# Altium PCB mini3216时钟V3.0.PcbDoc
Units mil, origin at the board's own origin, x right, y up, seen from the top; angles counter-clockwise.
Board outline 5039.37 x 2519.68 mil, 2 copper layers (Top Layer, Bottom Layer); 44 components, 61 nets, 295 pads, 182 vias.
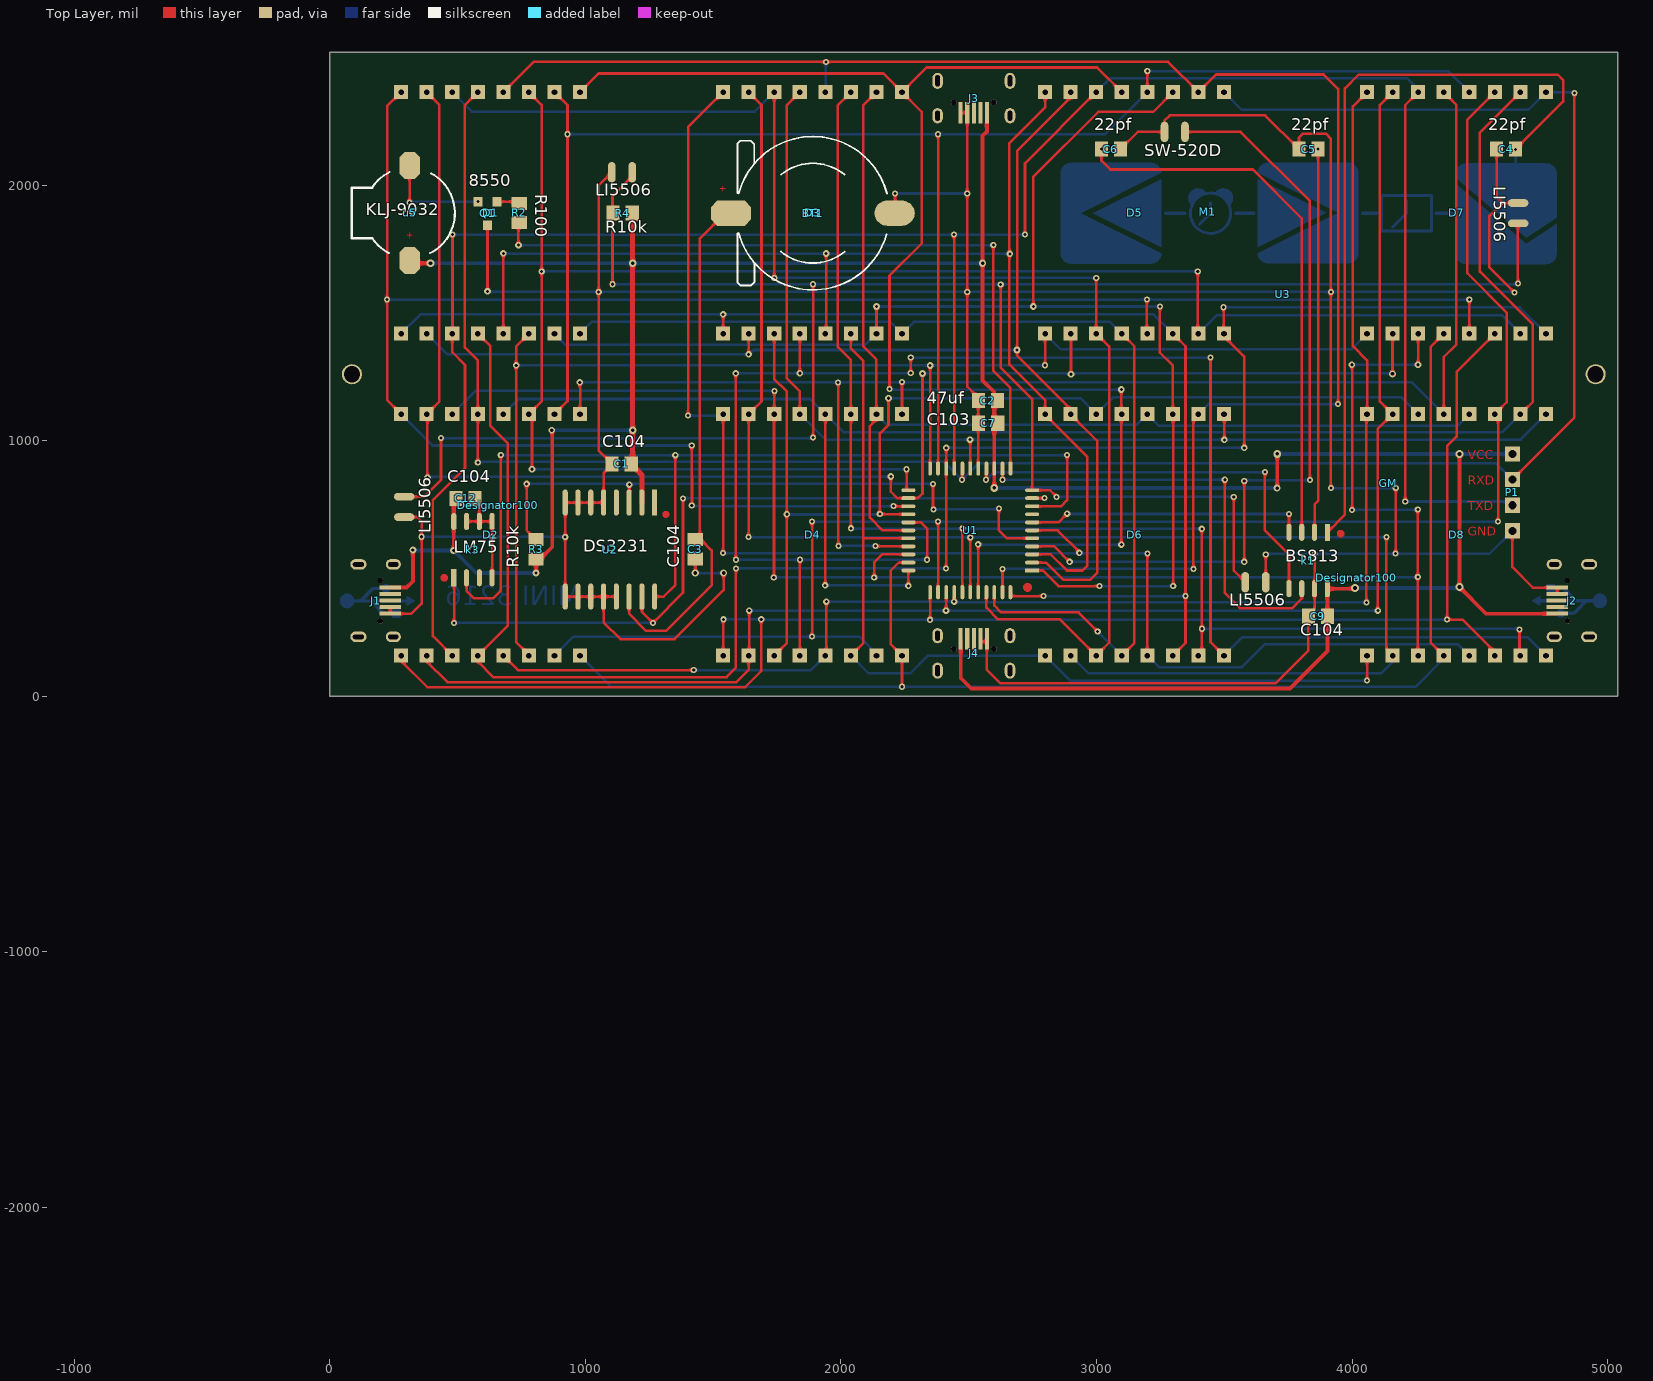
[diagram p0: Top Layer view]
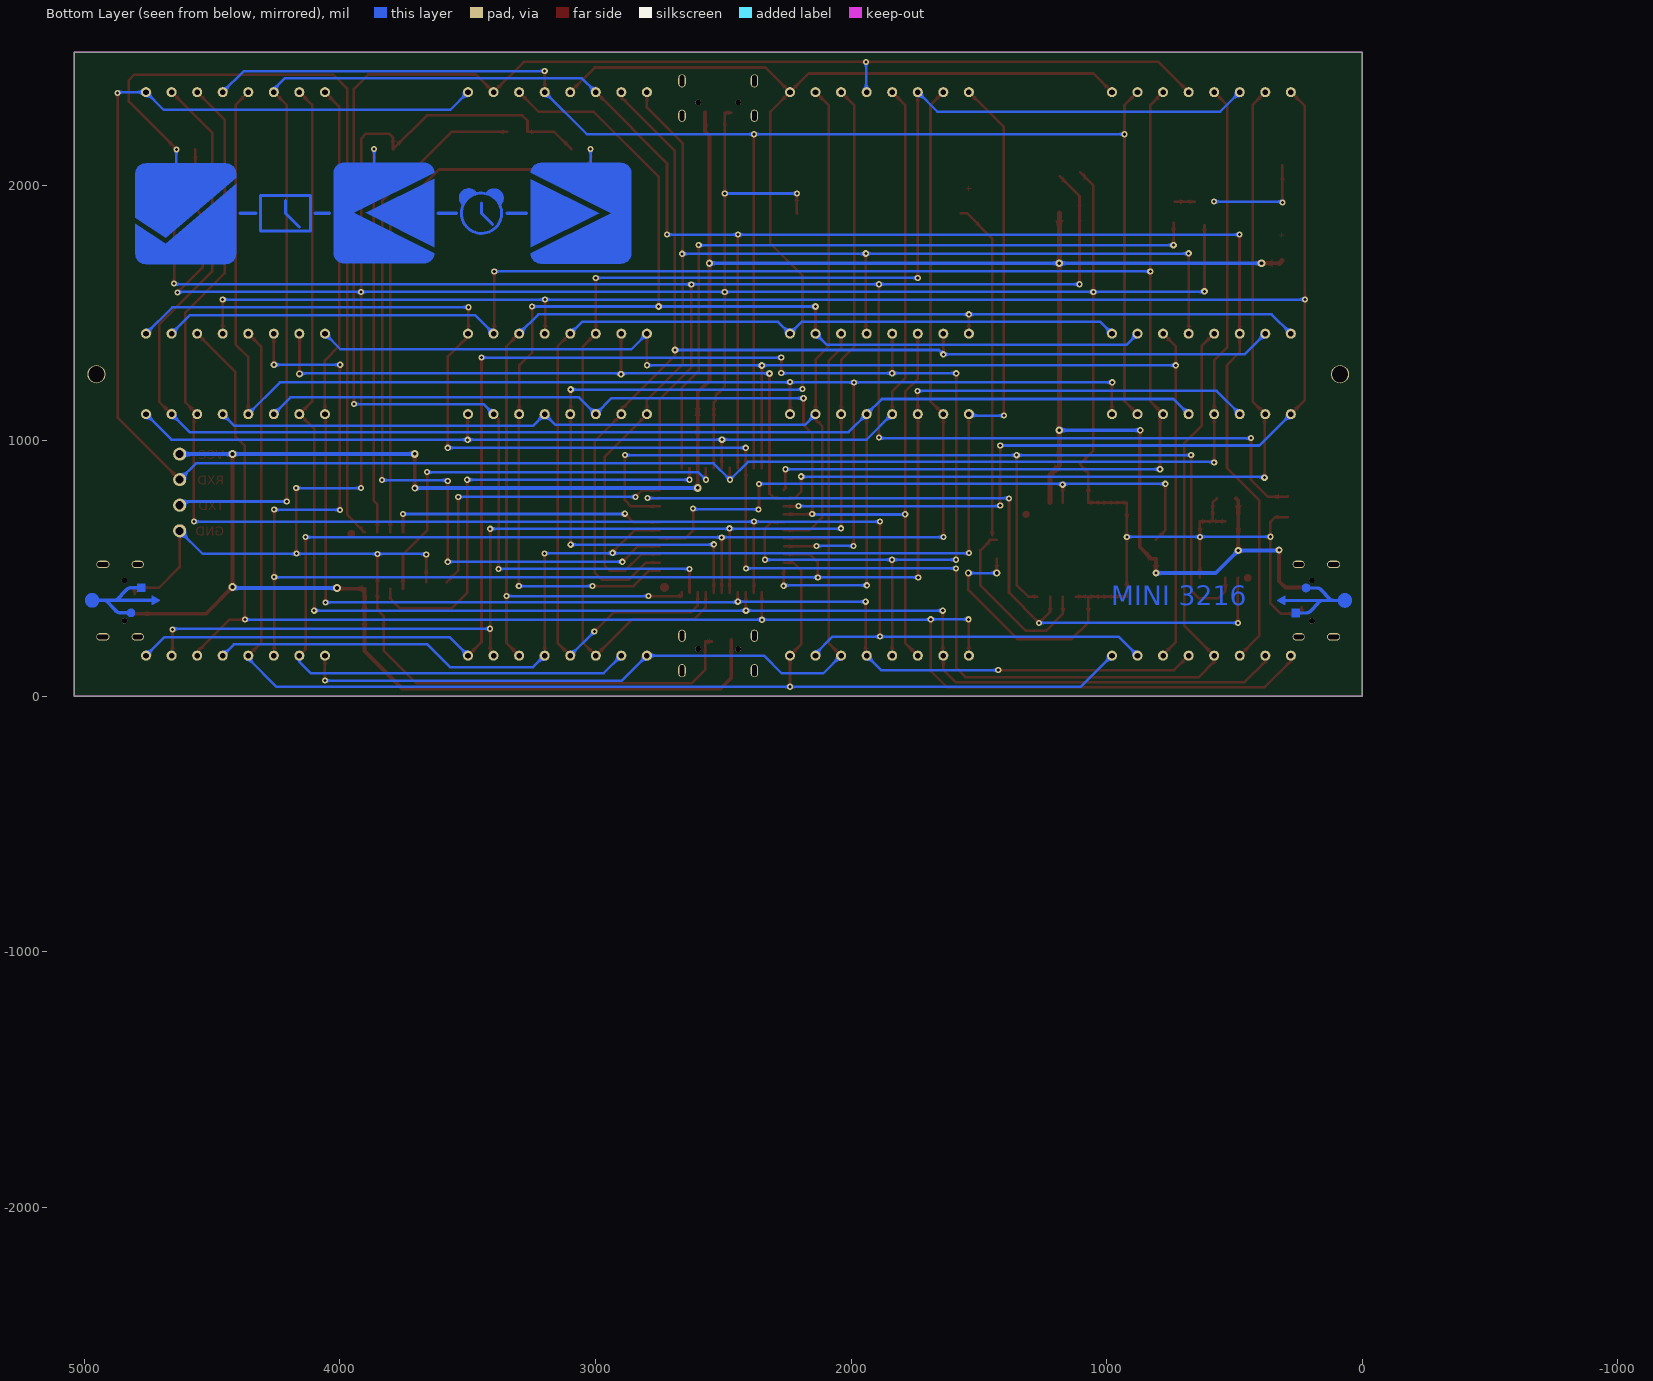
[diagram p1: Bottom Layer view, seen from below]

## Layer stack, top to bottom
Top Solder: solder mask 0.4, Solder Resist, Dk 3.5
Top Layer: signal copper 1.4
Dielectric 1: dielectric 12.6, FR-4, Dk 4.8
Bottom Layer: signal copper 1.4
Bottom Solder: solder mask 0.4, Solder Resist, Dk 3.5

## Board outline
0,0 0,2519.68 5039.37,2519.68 5039.37,0

## Design rules (kind name [scope] priority, off if disabled: settings)
Clearance Clearance_1 [InNamedPolygon('Poly1')or InNamedPolygon('Poly2')or InNamedPolygon('Poly3')or InNamedPolygon('Poly4')or InNamedPolygon('Poly5')or InNamedPolygon('Poly6')] p1: gap=30
Clearance [All] p2: gap=8
HoleToHoleClearance [All] p1: gap=8 allowstackedmicrovias=TRUE
MinimumSolderMaskSliver [All] p1: minsoldermaskwidth=8
PolygonConnect PolygonConnect_1 [InNet('GND') vs InNet('GND')] p1: connectstyle=Relief reliefconductorwidth=10 reliefentries=4 polygonreliefangle="90 Angle" airgapwidth=10
PolygonConnect [All] p2: connectstyle=Relief reliefconductorwidth=10 reliefentries=4 polygonreliefangle="90 Angle" airgapwidth=10
RoutingVias [All] p1: holewidth=12 width=26 viastyle="Through Hole" minholewidth=12 minwidth=24 maxholewidth=30 maxwidth=50
SilkToSilkClearance [All] p1: silktosilkclearance=0
SilkToSolderMaskClearance [IsPad] p1: minsilkscreentomaskgap=0 clearancetoexposedcopper=TRUE
SolderMaskExpansion [All] p1: expansion=4
Width Width_VCC [InNet('VCC')] p1: maxlimit=50 minlimit=10 preferedwidth=15
Width [All] p2: maxlimit=50 minlimit=1 preferedwidth=10
26 further rules are at their usual default settings.

## Classes and differential pairs
component class mini3216ʱ��V2.0: BT1 C1 C4 C5 C6 C7 C9 D1 D2 D3 D4 D5 D6 D7 D8 J1 J2 k1 LI-5506 P1 Q1 R2 U1 U2 U3 u5

## Components (designator, comment, footprint, x,y, rotation, side; value= is the part's Value field where it differs from the comment)
BT1 "Battery" CR1220 1890,1890 r270 top locked
C1 "Cap" C-RAD-0805 1142,909 r180 top
C2 "Cap" 0805-2 2575,1157 r180 top
C3 "Cap" C-RAD-0805 1430,575 r270 top (schematic designator C1)
C4 "Cap" C-RAD-0805 4602.52,2140.68 r0 top locked
C5 "Cap" C-RAD-0805 3829.52,2140.68 r0 top locked
C6 "Cap" C-RAD-0805 3056.52,2140.68 r180 top locked
C7 "Cap" C-RAD-0805 2576,1068 r180 top
C9 "Cap" C-RAD-0805 3866,313 r0 top
C12 "Cap" C-RAD-0805 531,774 r0 top (schematic designator C9)
D1 "点阵屏" "LED 8X8���� F3.0" 0,2519.68 r0 top locked
D2 "点阵屏" "LED 8X8���� F3.0" 0,1259.84 r0 top locked
D3 "点阵屏" "LED 8X8���� F3.0" 1259.84,2519.68 r0 top locked
D4 "点阵屏" "LED 8X8���� F3.0" 1259.84,1259.84 r0 top locked
D5 "点阵屏" "LED 8X8���� F3.0" 2519.68,2519.68 r0 top locked
D6 "点阵屏" "LED 8X8���� F3.0" 2519.68,1259.84 r0 top locked
D7 "点阵屏" "LED 8X8���� F3.0" 3779.53,2519.68 r0 top locked
D8 "点阵屏" "LED 8X8���� F3.0" 3779.53,1259.84 r0 top locked
Designator100 "Comment" 0603-2 4016,463.68 r270 top
Designator100 "Comment" 0603-2 658,747.68 r90 top
GM "" �������#1 4141,833.32 r180 top
J1 "USB_M" USB_MICRO 236.22,374.02 r270 top locked
J2 "USB_M" USB_MICRO 4803.15,374.02 r90 top locked
J3 "USB_M" USB_MICRO 2519.68,2283.46 r180 top locked (schematic designator J1)
J4 "USB_M" USB_MICRO 2519.68,224.41 r0 top (schematic designator J1)
k1 "BS814A-2触摸按键" SOP8 3828,531 r270 top
k3 "BS814A-2触摸按键" SOP8 560,573.68 r90 top locked (schematic designator k1)
LI5506 "Res1" �������#2 3622,446 r0 top (schematic designator GM)
LI5506 "Res1" �������#2 291,741 r90 top (schematic designator GM)
LI5506 "Res1" �������#2 1143,2050 r0 top (schematic designator GM)
LI5506 "Res1" �������#2 4650,1890 r270 top (schematic designator GM)
M1 "Motor" MOT 3436,1894.68 r45 top
P1 "Header 5" HDR1X5 4626.85,947.28 r270 top
Q1 "SS8550" SOT-23 617,1889 r180 top
R2 "Res1" 0805-1 741,1891 r90 top
R3 "Res1" 0805-1 807,575 r90 top (schematic designator R2)
R4 "Res1" 0805-1 1146,1890 r180 top (schematic designator R2)
SW-520D "Res1" �������#2 3306,2208 r180 top (schematic designator GM)
U1 "STC15F2K60S2_QFP44" LQFP-44 2506,649 r90 top locked
U2 "DS3231" DS3231SN 1096,573.68 r270 top locked
U3 "MOTOR" MOTOR 3728,1572.68 r45 top
u5 "Beef" BEEF 313,1891 r0 top locked
? "Comment" LOGO4 65,374.02 r0 top
? "Comment" LOGO4 4972,374.02 r180 top

## Footprints (in the part's own frame and the unit in brackets; to place one, negate y for a bottom-side part, rotate by r counter-clockwise, add the part's x,y. Pads: shape width x height; smd on the part's side, far side on the other; paste and mask are expansions set on the pad)
0603-2 [mil] "��Ƭ��˿ӡ"
0805-1 [mm] "��Ƭ��˿ӡ"
  rect 1.3x1.5 smd: 1(-0.95,0) 2(0.95,0)
  body extent -1,-0.6 1,0.6, height 0.95
0805-2 [mm] "��Ƭ��˿ӡ"
  rect 1.3x1.5 smd: 1(-0.95,0) 2(0.95,0)
  body extent -1,-0.6 1,0.6, height 0.95
BEEF [mil] "��Ƭ������"
  oct 80x106.3 smd: 1(0,-186.18) 2(0,186.18)
  silkscreen extent -228,-157 176,159, body extent -240,-210 177,210, height 118
C-RAD-0805 [mm] "��Ƭ����"
  rect 1.3x1.5 smd: 1(-0.95,0) 2(0.95,0)
  body extent -1,-0.6 1,0.6, height 0.95
CR1220 [mm] "CR1220"
  oct 2.5x4 smd: 1(0,-8.128)
  oval 2.5x4 smd: 2(0,8.128)
  silkscreen extent -7.62,-7.5 7.62,7.36, body extent -7.47,-9.45 7.53,9.05, height 4.44
DS3231SN [mm] "SOP, 16-Leads, Body 10.5x7.6mm (max), Pitch 1.27mm, IPC Medium Density"
  rect 2.6x0.508 smd: 1(-4.675,4.445)
  oval 2.6x0.508 smd: 2(-4.675,3.175) 3(-4.675,1.905) 4(-4.675,0.635) 5(-4.675,-0.635) 6(-4.675,-1.905) 7(-4.675,-3.175) 8(-4.675,-4.445) 9(4.675,-4.445) 10(4.675,-3.175) 11(4.675,-1.905) 12(4.675,-0.635) 13(4.675,0.635) 14(4.675,1.905) 15(4.675,3.175) 16(4.675,4.445)
  body extent -5.33,-5.15 5.31,5.15, height 1.95
HDR1X5 [mm] "Connector; Header; 5 Position"
  rect 1.5x1.5 / inner rect 1.5x1.5 / far side round 1.3 hole 0.8: 1(0,0)
  rect 1.5x1.5 / inner round 1.5 / far side round 1.3 hole 0.8: 2(2.54,0) 3(5.08,0) 4(7.62,0)
"LED 8X8���� F3.0" [mm] "LED 8x8���� F3.0"
  rect 1.4x1.4 / inner rect 2x2 / far side round 1 hole 0.56: 1(7.087,-27.965) 2(9.627,-27.965) 3(12.167,-27.965) 4(14.707,-27.965) 5(17.247,-27.965) 6(19.787,-27.965) 7(22.327,-27.965) 8(24.867,-27.965) 9(24.867,-3.965) 10(22.327,-3.965) 11(19.787,-3.965) 12(17.247,-3.965) 13(14.707,-3.965) 14(12.167,-3.965) 15(9.627,-3.965) 16(7.087,-3.965)
LOGO4 [mil]
  Bottom Layer lines w1: -25,-7 29,-7 ; -25,-6 29,-6 ; -25,-5 260,-5 ; -25,-4 261,-4 ; -25,-3 263,-3 ; -25,-2 265,-2 ; -25,-1 267,-1 ; -25,0 268,0 ; -25,1 266,1 ; -25,2 264,2 ; -25,3 262,3 ; -25,4 261,4 ; -25,5 30,5 ; -25,6 29,6 ; -24,7 28,7 ; -23,-10 28,-10 ; -23,-9 28,-9 ; -23,-8 28,-8 ; -23,8 28,8 ; -23,9 28,9 ; -22,-12 27,-12 ; -22,-11 27,-11 ; -22,10 27,10 ; -22,11 27,11 ; -21,-14 26,-14 ; -21,-13 26,-13 ; -21,12 26,12 ; -21,13 26,13 ; -20,-15 25,-15 ; -20,14 25,14 ; -20,15 25,15 ; -19,-16 24,-16 ; -19,16 24,16 ; -18,-18 23,-18 ; -18,-17 23,-17 ; -18,17 23,17 ; -18,18 22,18 ; -17,-19 22,-19 ; -17,19 21,19 ; -16,-20 21,-20 ; -15,-21 20,-21 ; -15,20 20,20 ; -14,21 19,21 ; -13,-22 18,-22 ; -13,22 18,22 ; -12,-23 17,-23 ; -11,23 16,23 ; -10,-24 15,-24 ; -9,24 15,24 ; -8,-25 13,-25 ; -7,25 12,25 ; -5,-26 10,-26 ; -4,26 9,26 ; 0,-27 5,-27 ; 49,5 70,5 ; 53,6 70,6 ; 55,7 71,7 ; 57,8 72,8 ; 58,9 73,9 ; 59,10 74,10 ; 60,11 74,11 ; 61,12 76,12 ; 62,13 76,13 ; 63,14 77,14 ; 64,15 78,15 ; 65,16 79,16 ; 66,17 80,17 ; 67,18 81,18 ; 68,19 82,19 ; 69,20 83,20 ; 70,21 84,21 ; 71,22 85,22 ; 71,23 86,23 ; 72,24 87,24 ; 73,25 88,25 ; 74,26 89,26 ; 75,27 90,27 ; 76,28 91,28 ; 77,29 92,29 ; 78,30 93,30 ; 79,31 94,31 ; 80,32 94,32 ; 81,33 95,33 ; 82,34 96,34 ; 83,35 97,35 ; 84,36 98,36 ; 85,37 99,37 ; 86,38 100,38 ; 87,39 101,39 ; 88,40 102,40 ; 89,41 103,41 ; 90,42 105,42 ; 90,43 108,43 ; 91,44 170,44 ; 92,45 170,45 ; 93,-6 111,-6 ; 93,46 170,46 ; 95,-7 111,-7 ; 95,47 170,47 ; 96,48 170,48 ; 97,-8 112,-8 ; 97,49 170,49 ; 99,-9 113,-9 ; 99,50 170,50 ; 100,-10 114,-10 ; 101,-11 115,-11 ; 101,51 170,51 ; 102,-12 116,-12 ; 103,-14 118,-14 ; 103,-13 117,-13 ; 103,52 170,52 ; 104,-15 119,-15 ; 105,-16 120,-16 ; 106,-17 121,-17 ; 106,53 170,53 ; 107,-18 122,-18 ; 108,-19 122,-19 ; 109,-20 123,-20 ; 110,-21 124,-21 ; 111,-22 125,-22 ; 112,-23 126,-23 ; 113,-24 127,-24 ; 114,-25 128,-25 ; 115,-26 129,-26 ; 116,-27 130,-27 ; 117,-28 131,-28 ; 118,-29 132,-29 ; 119,-31 134,-31 ; 119,-30 133,-30 ; 120,-32 135,-32 ; 121,-33 136,-33 ; 122,-34 137,-34 ; 123,-35 138,-35 ; 124,-36 139,-36 ; 125,-37 140,-37 ; 126,-38 140,-38 ; 127,-39 141,-39 ; 128,-40 142,-40 ; 129,-41 144,-41 ; 130,-42 145,-42 ; 131,-43 147,-43 ; 132,-44 151,-44 ; 133,-45 211,-45 ; 134,-46 211,-46 ; 135,-47 211,-47 ; 136,-48 211,-48 ; 138,-49 211,-49 ; 139,-50 211,-50 ; 139,54 170,54 ; 140,42 169,42 ; 140,43 169,43 ; 140,55 169,55 ; 140,56 169,56 ; 141,-51 211,-51 ; 141,40 168,40 ; 141,41 168,41 ; 141,57 168,57 ; 141,58 168,58 ; 142,39 167,39 ; 142,59 167,59 ; 143,-52 211,-52 ; 143,38 166,38 ; 143,60 166,60 ; 144,37 165,37 ; 144,61 165,61 ; 145,-53 211,-53 ; 145,36 164,36 ; 146,62 164,62 ; 147,35 163,35 ; 147,63 162,63 ; 149,34 161,34 ; 149,64 160,64 ; 150,-54 211,-54 ; 152,33 157,33 ; 179,-64 211,-64 ; 179,-63 211,-63 ; 179,-62 211,-62 ; 179,-61 211,-61 ; 179,-60 211,-60 ; 179,-59 211,-59 ; 179,-58 211,-58 ; 179,-57 211,-57 ; 179,-56 211,-56 ; 179,-55 211,-55 ; 179,-44 211,-44 ; 179,-43 211,-43 ; 179,-42 211,-42 ; 179,-41 211,-41 ; 179,-40 211,-40 ; 179,-39 211,-39 ; 179,-38 211,-38 ; 179,-37 211,-37 ; 179,-36 211,-36 ; 179,-35 211,-35 ; 179,-34 211,-34 ; 180,-65 211,-65 ; 236,-17 239,-17 ; 236,-16 241,-16 ; 236,-15 242,-15 ; 236,-14 244,-14 ; 236,-13 246,-13 ; 236,-12 247,-12 ; 236,-11 249,-11 ; 236,-10 251,-10 ; 236,-9 253,-9 ; 236,-8 255,-8 ; 236,-7 256,-7 ; 236,-6 258,-6 ; 236,5 259,5 ; 236,6 257,6 ; 236,7 256,7 ; 236,8 254,8 ; 236,9 252,9 ; 236,10 250,10 ; 236,11 249,11 ; 236,12 247,12 ; 236,13 245,13 ; 236,14 244,14 ; 236,15 242,15 ; 236,16 240,16 ; 236,17 238,17
LQFP-44 [mm]
  rect 0.38x1.4 smd: 1(-3.988,-6.15)
  oval 0.38x1.4 smd: 2(-3.2,-6.15) 3(-2.388,-6.15) 4(-1.6,-6.15) 5(-0.787,-6.15) 6(0,-6.15) 7(0.787,-6.15) 8(1.6,-6.15) 9(2.388,-6.15) 10(3.2,-6.15) 11(3.988,-6.15) 23(3.988,6.15) 24(3.2,6.15) 25(2.388,6.15) 26(1.6,6.15) 27(0.787,6.15) 28(0,6.15) 29(-0.787,6.15) 30(-1.6,6.15) 31(-2.388,6.15) 32(-3.2,6.15) 33(-3.988,6.15)
  oval 1.4x0.38 smd: 12(6.15,-3.988) 13(6.15,-3.2) 14(6.15,-2.388) 15(6.15,-1.6) 16(6.15,-0.787) 17(6.15,0) 18(6.15,0.787) 19(6.15,1.6) 20(6.15,2.388) 21(6.15,3.2) 22(6.15,3.988) 34(-6.15,3.988) 35(-6.15,3.2) 36(-6.15,2.388) 37(-6.15,1.6) 38(-6.15,0.787) 39(-6.15,0) 40(-6.15,-0.787) 41(-6.15,-1.6) 42(-6.15,-2.388) 43(-6.15,-3.2) 44(-6.15,-3.988)
  body extent -6,-6 6,6, height 1.5
MOT [mil]
MOTOR [mil]
SOP8 [mm] "SOP, 8-Leads, Body 4.90x3.90mm, Pitch 1.27mm, IPC Medium Density"
  rect 1.7x0.508 smd: 1(-2.8,1.905)
  oval 1.7x0.508 smd: 2(-2.8,0.635) 3(-2.8,-0.635) 4(-2.8,-1.905) 5(2.8,-1.905) 6(2.8,-0.635) 7(2.8,0.635) 8(2.8,1.905)
  body extent -3.02,-2.51 3.02,2.51, height 1.6
SOT-23 [mm]
  rect 0.9x0.95 smd: 1(-0.95,-1.175) 2(0.95,-1.175) 3(0,1.175)
  body extent -1.5,-1.32 1.5,1.32, height 1.08
USB_MICRO [mm] "USB����"
  oval 1.05x1.5 / inner oval 1x1.4 / far side oval 0.75x1.2 hole 0.45 slot 1 at 90 deg: 0(-3.6,0.31) 0(3.6,0.31)
  oval 1.05x1.6 / inner oval 1x1.5 / far side oval 0.75x1.3 hole 0.45 slot 1.1 at 90 deg: 0(-3.6,-3.16) 0(3.6,-3.16)
  round 0.56 hole 0.56: 0(-2,-1.01)
  round 0.55 hole 0.56: 0(2,-1.01)
  rect 0.4x2.15 smd: 1(-1.3,0) 2(-0.65,0) 3(0,0) 4(0.65,0) 5(1.3,0)
  body extent -3.99,-5.32 3.99,0.11, height 2.69
�������#1 [mil]
�������#2 [mil]
  oval 30x80 smd: 1(-40,0) 2(40,0)

## Part data
BT1: "���ݵ��"
C1 C2 C3 C4 C5 C6 C7 C9 C12: "�޼��Ե���"
D1 D2 D3 D4 D5 D6 D7 D8: library part LED_������8x8
GM: library part Res1, "��Ƭ����"
J1 J2 J3 J4: "MicroUSB�ӿ�"
k1 k3: library part BS814A-2��������
LI5506 LI5506 LI5506 LI5506 R2 R3 R4 SW-520D: "��Ƭ����"
M1: "Motor, General Kind"
P1: "Header, 5-Pin"
Q1: "PNP��Ƭ������"
U3: "�ֻ��𶯵��"

## Free pads (board coordinates)
  round 78.74 / inner round 70.87 / far side round 70.87 hole 62.99: 1(86.61,1259.84) 1(4952.76,1259.84)

## Via types
v1: diameter 24, hole 12, Top Layer to Bottom Layer, tented both sides, 120 vias
v2: diameter 26, hole 12, Top Layer to Bottom Layer, tented both sides, 44 vias
v3: diameter 28, hole 14, Top Layer to Bottom Layer, tented both sides, 5 vias
v4: diameter 30, hole 14, Top Layer to Bottom Layer, tented both sides, 5 vias
v5: diameter 28, hole 13, Top Layer to Bottom Layer, tented both sides, 3 vias
v6: diameter 32, hole 16, Top Layer to Bottom Layer, tented both sides, 3 vias
v7: diameter 26, hole 13, Top Layer to Bottom Layer, tented both sides, 1 vias
v8: diameter 24.02, hole 12, Top Layer to Bottom Layer, tented both sides, 1 vias

## Nets (pads, with @x,y where several pads share a name; then routed paths per layer and width w, separated by ;. In a path a pad name is that pad's centre, name@x,y a point inside that pad or via, vN(x,y) a via of type N, cw(c..) or ccw(c..) an arc to the next point about the centre after c; other vN are vias at no path point)
ADC: LI5506.1@3582,446 LI5506.2@291,781 LI5506.2@1183,2050 LI5506.2@4650,1850 R4.2 U1.11 | length 8700.1
  Top Layer w10: 346,780 294,780 LI5506.2@293,781 ; v1(435,1010) 435,846 370,781 LI5506.2@293,781 ; v1(1106,1612) 1106,1957 LI5506.2@1183,2034 ; v1(1890,1012) 1890,1005 v1@1891,1004 ; v1@1891,1012 v1(1891,1612) ; v1(2625,1611) 2625,1286 2748.13,1162.87 U1.11 2818,806 v1(2844,780) ; v1(3537,780) 3537,491 LI5506.1@3582,446 ; v1(4649,1615) 4649,1849 LI5506.2@4650,1850 ; LI5506.2@293,781 291,781 292,782 LI5506.2@293,781
  Bottom Layer w10: v1(435,1010) 434,1009 1887,1009 v1(1890,1012) ; v1(1106,1612) v1(1891,1612) 4646,1612 v1(4649,1615) ; v1(2844,780) v1(3537,780)
BEEF: R2.1 U1.12 | length 2847.5
  Top Layer w10: v2(738,1765) R2.1@738,1852 ; v1(2596,1765) 2596,1273 2663,1206 U1.12
  Bottom Layer w10: v2(738,1765) 2199.64,1765 2200.64,1764 2595,1764 v1(2596,1765)
CLOCK: 
DATA: 
GND: BT1.2 C1.2 C2.2 C3.2 C4.1 C5.1 C6.1 C7.2 C9.1 C12.2 J1.4 J1.5 J2.4 J2.5 J3.4 J3.5 J4.4 J4.5 k1.7 k3.4 k3.5 k3.6 k3.7 LI5506.1@291,701 LI5506.1@1103,2050 LI5506.1@4650,1930 LI5506.2@3662,446 P1.4 Q1.3 SW-520D.2 U1.16 U2.5 U2.6 U2.7 U2.8 U2.9 U2.10 U2.11 U2.12 U2.13 | length 17519.2
  Top Layer w10: J1.4 J1.5 319,322.83 359,362.83 v1(359,624) 359,682.04 340.04,701 LI5506.1@291,701 ; k3.7 k3.6 ; C12.2 585,757.4 k3.6 ; v2(617,1584) Q1.3 ; k3.4 k3.5 k3.6 ; C1.2@1102,904 1071,873 U2.5 U2.8 v1(921,623) U2.9 U2.12 ; LI5506.1@1103,2050 1052,1999 v1(1052,1582) 1052,961.6 C1.2 ; U2.13 U2.12 ; v3(1430,482) C3.2 ; v3(1541,482) 1541,415 1349,223 1137,223 1071,289 U2.12 ; BT1.2 2211,1889 2212,1890 v1(2212,1967) ; J3.5 J3.4 2494.09,1211.91 2529,1177 2529,1157.41 2537,1149.41 U1.16 ; J4.4@2545.28,214 2570.87,214 2570.87,103.13 2623.5,50.5 3700,50.5 3828.6,179.1 C9.1 3853,337.4 k1.7 v1(3853,557) ; C6.1@3094.61,2140 C6.1 3161.24,2208 SW-520D.2 3266,2252 3287,2273 3659.8,2273 C5.1 3792.12,2186.12 3807,2201 3897,2201 3917,2181 v1(3917,1581) v1(3917,814) ; LI5506.2@3662,446 v1(3662,554) ; v1@4171,566 v1(4171,815) ; C4.1 4565.12,1952.88 4588,1930 ; P1.4@4628,646.13 P1.4 4626.85,505.15 4706.8,425.2 J2.5 J2.4 ; v1(4635,1580) 4537,1678 4537,1879 4588,1930 ; LI5506.1@4650,1930 4588,1930
  Bottom Layer w10: v1(359,624) 920,624 v1(921,623) ; v2@617,1582 v1(1052,1582) 4633,1582 v1(4635,1580) ; v3(1430,482) v3(1541,482) ; v1(2212,1967) v1(2494.09,1967) ; v1(3662,554) 3665,557 v1(3853,557) 4536.57,557 P1.4 ; v1(3917,814) 4168,814 4169,813 v1(4171,815)
  other v1: 4170,558 634,623 2494.09,1581
H1: D1.9 D3.9 D5.13 D6.13 U1.40 | length 5776.9
  Top Layer w10: D1.9 1052.12,2436.68 2165.72,2436.68 D3.9 ; v1(2190,1202) 2190,1646 2316,1772 2316,2286.41 D3.9 ; U1.40 v2(2537,594) ; U1.40@2537.4,405.51 U1.40@2537.4,406.87 ; v2(3097,593) 3097,1099.41 3096,1100.41 3099,1103.41 3097,1105.41 v2(3097,1200) ; D5.13 3002.25,2460 2335.28,2460 D3.9
  Bottom Layer w10: v1@2190,1200 2501,1200 ; 2503,1200 v2(3097,1200) ; v2(2537,594) 2538,593 v2(3097,593) v2@3104.68,593
H2: D1.14 D3.14 D5.3 D6.3 U1.41 | length 5409.4
  Top Layer w10: D3.14 1739,2363.41 v1(1739,1637) ; U1.41 2569,347.2 2568.9,347.1 2615,301 2856.53,301 D6.3 3049,209.16 3049,1368.37 D5.3 v1@2998.68,1637
  Bottom Layer w10: D1.14@479,2375.68 D1.14 555.57,2287 1662.28,2287 D3.14 ; v1(1739,1637) v1(2999,1637)
H3: D1.8 D3.8 D5.4 D6.4 U1.42 | length 4140.2
  Top Layer w10: U1.42 2600,355 2627,328 2929.53,328 v1(3004.53,253) ; D6.4@3098.68,169.32 D6.4 3148,208.16 3148,1369.37 D5.4
  Bottom Layer w10: D1.8 1026.32,1466 2191.53,1466 D3.8 2285.16,1465 3052.37,1465 D5.4 ; v1(3004.53,253) D6.4
H4: D1.12 D3.12 D5.10 D6.10 U1.43 | length 6786.2
  Top Layer w10: D1.12 797.43,2482 v1(1941,2482) 3280.25,2482 D5.10 3467.8,2432.68 3888.32,2432.68 3945,2376 v1(3945,1143) ; U1.43@2631.89,405.51 U1.43@2632.63,406.25 ; U1.43 v1(2632,498) ; v1(3380,498) 3379,498 3379,1084.04 D6.10
  Bottom Layer w10: D3.12 1941,2365.72 v1(1941,2482) ; v1(2632,498) v1(3380,498) ; D6.10 3437.96,1143 v1(3945,1143)
H5: D1.1 D3.1 D5.6 D6.6 U1.44 | length 5160.6
  Top Layer w10: v2(1539,1494) 1539,1418.84 D3.1@1541,1420.84 ; U1.44 2663,392 v1(2793,392) ; D6.6 3348,208.16 3348,369 3348,1369.37 D5.6
  Bottom Layer w10: D1.1 354.32,1494 v2(1539,1494) 3223.37,1494 D5.6 ; v1(2793,392) v1(3348,392)
H6: D1.7 D3.7 D5.11 D6.11 U1.1 | length 5398.4
  Top Layer w10: v2(2139,1525) 2139,1418.84 D3.7 D3.7@2142,1415.53 ; U1.1 2790,492 2851,431 v1(3012,431) ; v2(2753,1525) 2753,2033 3007,2287 3222.12,2287 D5.11 ; v1(3248,1525) 3248,1344 3298.68,1293.32 D6.11 3300,1102.41 v1@3300,432
  Bottom Layer w10: D1.7 923,1374.68 2094.84,1374.68 D3.7 ; v2(2139,1525) v1(3248,1525) ; v1(3012,431) v1(3300,431)
H7: D1.2 D3.2 D5.15 D6.15 U1.2 | length 4822.4
  Top Layer w10: D3.2 1638.84,1337.84 v2(1639,1337.68) ; U1.2 2802,523 2870,455 2974,455 3002,483 3002,999.68 2898.68,1103 2898.68,1123.32 2689,1333 v2(2689,1354.68) 2689,2133 2898.68,2342.68 D5.15
  Bottom Layer w10: D1.2 460,1337.68 v2(1639,1337.68) 1656,1354.68 v2(2689,1354.68)
H8: D1.5 D3.5 D5.16 D6.16 U1.3 | length 4897.6
  Top Layer w10: D1.5 v2(679,1733) ; D3.5 1942,1421.84 v2(1942,1732) ; U1.3 2820.76,555 2820.88,555.12 2884,492 2944.89,492 2963,510.11 2963,937.68 2798.68,1102 2798.68,1158.32 2659,1298 2659,2164 2798.68,2303.68 D5.16
  Bottom Layer w10: v2(679,1733) 680,1732 v2(1942,1732) 1943,1731 v2(2661,1731)
H9: D2.9 D4.9 D7.13 D8.13 U1.30 | length 5896.3
  Top Layer w10: v2(978,1228) 979,1227 D2.9 ; v1(1988,1228) 1990,1226 v1(1990,588) ; v1(2135,588) 2136.39,586.61 U1.30@2261.81,586.61 ; D4.9 v1@2238.84,1228.84 ; D8.13 4358.53,1327.53 4408,1377 4408,2314.09 D7.13
  Bottom Layer w10: v2(978,1228) v1(1988,1228) ; v1@1988.32,1227.68 v1(1988,1228) ; v1(1990,588) v1(2135,588) ; D8.13 4234.25,1228 v1(1988,1228)
  other v1: 2239,1229
H10: D2.14 D4.14 D7.3 D8.3 U1.31 | length 6527.7
  Top Layer w10: v1(1737,465) 1738,466 1738,1102.88 D4.14 1738.84,1193.84 v1(1739.53,1194.53) ; v8(2130,465) 2130,524 2161.12,555.12 U1.31@2261.81,555.12 ; v2@3999,1290 4000,1289 v1(4000,729) ; v1(4257,730) v1(4257,467) 4257,162.37 4256,161.37 D8.3 ; v2@4258.53,1297 D7.3
  Bottom Layer w10: D2.14 569.8,1194.53 v1(1739.53,1194.53) ; v1(1737,465) 1738.68,466.68 1740.35,465 v8(2130,465) 4255,465 v1(4257,467) ; D4.14 D4.14@1739.53,1104.41 ; v2(3999,1297) v2(4258,1297) ; v1(4000,729) 4256,729 v1(4257,730)
H11: D2.8 D4.8 D7.4 D8.4 U1.32 | length 5346
  Top Layer w10: v1(2239,37) 2238.84,37.16 D4.8 2194,203.68 2194,491 2226,523 U1.32 ; D8.4 4307,210.37 4307,1367.16 D7.4
  Bottom Layer w10: D2.8 1101.31,36.53 4247.84,36.53 4358.53,147.21 D8.4
H12: D2.12 D4.12 D7.10 D8.10 U1.33 | length 6574.8
  Top Layer w10: v2(1938,434) 1938.84,434.84 D4.12 ; U1.33@2261.81,492 U1.33@2261.81,492.13 ; v2(2263.87,432) U1.33 ; D8.10 4707,1152.2 4707,1454 4500,1661 4500,2205.04 D7.10
  Bottom Layer w10: D2.12 738.28,1163 1879.57,1163 D4.12 ; v2(1938,434) 2261.87,434 v2(2263.87,432) ; D4.12@1939.28,1103.28 2009.57,1033 4587.8,1033 D8.10
H13: D2.1 D4.1 D7.6 D8.6 U1.34 | length 6247.2
  Top Layer w10: D2.1 279,138 382,35 1625,35 1688,98 v1(1688,301) ; D4.1 1538.84,298.84 v1(1541,301) ; v1(2349,299) 2348.43,299.57 2349,300.15 U1.34 ; D8.6 4558.53,173.47 4432,300 v1(4372,300) 4372,979 4409,1016 4409,1269.16 D7.6
  Bottom Layer w10: v1(1541,301) v1(1688,301) 1689,300 v1(4372,300) ; D8.6 D8.6@4558.53,172.16
H14: D2.7 D4.7 D7.11 D8.11 U1.35 | length 6570.7
  Top Layer w10: v1(1887,233) v1(1887,683) ; v1(2379,683) 2380,682 U1.35 ; U1.35@2379.92,405.51 U1.35@2379.92,406.87 ; D7.11 4451,2256.04 4451,1655 4605,1501 4605,1150.2 D8.11 ; D8.11@4567.28,1103.72 D8.11 ; v1(4571,683) 4571,1091.25 D8.11
  Bottom Layer w10: D2.7@879,147.68 D2.7 953.16,233 v1(1887,233) 2072,233 2138.84,166.16 D4.7 ; v1(1887,683) v1(2379,683) v1(4571,683)
H15: D2.2 D4.2 D7.15 D8.15 U1.36 | length 6213.3
  Top Layer w10: D2.2 379,136 460,55 1591,55 1638.84,102.84 D4.2 1641,161 v2(1641,335) ; v2(2411,335) 2412,336 U1.36 ; v2(4101,335) 4100,336 4100,1045.2 D8.15 4109,1153.25 4109,2314.04 D7.15 D7.15@4171,2351.09
  Bottom Layer w10: v2(1641,335) v2(2411,335) v2(4101,335)
H16: D2.5 D4.5 D7.16 D8.16 U1.37 | length 5716.2
  Top Layer w10: D2.5 735.84,102 v1(1424,102) ; D4.5 1940,160 1938,162 1943,167 1943,264 v2(1943,370) ; v2(2443,370) U1.37 ; v1(4056,367) 4056,1101.2 D8.16 4058.53,1314.47 4003,1370 4003,2308.04 D7.16
  Bottom Layer w10: v1(1424,102) 1882,102 D4.5 ; v2(1943,370) v2(2443,370) 2446,367 v1(4056,367)
INT: SW-520D.1 U1.4 | length 3117.6
  Top Layer w10: U1.4 2835,586 v1(2895,526) ; SW-520D.1 3564,2208 3835,1937 v1(3835,846) ; v1(3578,526) v1(3578,842)
  Bottom Layer w10: v1(2895,526) v1(3578,526) ; v1@3584,842 3587,845 3836,845 v1(3835,846)
INT_1HZ: R3.2 U1.5 U2.3 | length 2482.9
  Top Layer w10: v2(770,831) 770,649.4 R3.2 ; U2.3 1172,758.74 v2(1172,828) v2@1172,829 ; v1(2360,830) 2360,733 v1(2362,731) ; v1(2618,734) 2618,649 2649,618 U1.5 ; U1.5@2748.13,618.11 U1.5@2750,618.11
  Bottom Layer w10: v2(770,831) 2359,831 v1(2360,830) ; v1(2362,731) 2615,731 v1(2618,734)
JACK1: 
JACK2: 
key1: k1.6 U1.13 | length 1736.8
  Top Layer w10: v1@2632,847 U1.13 ; v2(3502,847) 3502,404 3561,345 3766,345 3803,382 k1.6
  Bottom Layer w10: v1(2631.89,847) v2(3502,847)
key2: k1.5 U1.15 | length 1642.7
  Top Layer w10: v1@2569,847 U1.15 ; v1(3659,877) 3659,649 3753,555 k1.5
  Bottom Layer w10: v1(2568,847) 2597,876 3658,876 v1(3659,877)
key3: k1.4 U1.7 | length 1094.1
  Top Layer w10: U1.7 2850.79,680 v2(2885,714.21) ; k1.4@3751,643.24 k1.4 v1(3753,713)
  Bottom Layer w10: v2(2885,714.21) 2886.21,713 v1(3753,713)
L1: D1.13 D2.13 D5.9 D7.9 P1.2 U1.18 | length 8712.3
  Top Layer w10: v1(579,915) D2.13 579,1313 528.34,1363.66 528.34,2312.91 D1.13 ; U1.18@2474,893.29 2474.41,893.7 U1.18@2474.41,891.13 ; v1@2475,847 U1.18 ; P1.2 4870,1090.43 v1(4870,2361)
  Bottom Layer w10: v1(579,915) 581,917 2404,917 v1(2474,847) 2538,911 4563.13,911 P1.2 ; D5.9 3567.57,2294.68 4689.65,2294.68 D7.9 4867.43,2363.57 v1(4870,2361)
L2: D1.3 D2.3 D5.14 D7.14 P1.3 U1.19 | length 8961.7
  Top Layer w10: D2.3 403,234.84 403,767 529,893 529,1296 479,1346 D1.3 480,1419.68 v1(480,1806) ; v1(2442,1806) 2442.91,1805.09 2442.91,984.91 2443,984.83 U1.19 ; v1@2720,1805 v1(2720,1806) 2720,2084.88 D5.14 ; D5.14@2998.13,2364.13 2998.68,2364.68 D5.14@2998.68,2383 ; v1(4208,762) 4208,2313.04 D7.14
  Bottom Layer w10: v1(480,1806) 481,1805 482,1806 v1(2442,1806) v1(2720,1806) ; D5.14 3053.8,2418.68 4215,2418.68 4258.53,2375.16 D7.14 ; v1(4208,762) 4610.13,762 4625.13,747 4626.13,748 P1.3
L3: D1.4 D2.4 D5.8 D7.8 U1.20 | length 7177.9
  Top Layer w10: D1.4 628,1369.68 628,1058 697,989 697,276.84 D2.4 579,135 639,75 1552,75 1589,112 v1(1589,500) ; v1(2411.42,500) U1.20@2411.42,891.71 ; U1.20 U1.20@2411.42,891.71 ; v2(2412,972) 2412,892.29 U1.20@2411.42,891.71 ; v1(3497,1522) 3497,1420.37 D5.8 3498.68,1407.95 3576.63,1330 ; v2(3578,972) 3578,1330
  Bottom Layer w10: v1@1588,500 v1(1589,500) v1(2411.42,500) ; v2(2412,972) v2(3578,972) ; v1(3497,1522) 4655.21,1522 D7.8 D7.8@4767,1418.68
L4: D1.10 D2.10 D5.12 D7.12 U1.21 | length 6323.2
  Top Layer w10: D2.10 930,1154.72 930,2184 930,2312.57 D1.10 ; U1.21 v1(2380,2199) ; D5.12 v1(3198.68,2446)
  Bottom Layer w10: v1(930,2199) 3034.12,2199 D5.12 ; v1(3198.68,2446) 4376.09,2446 D7.12
L5: D1.6 D2.6 D5.1 D7.1 U1.22 | length 5205.3
  Top Layer w10: D2.6 779,162 729,212 729,1368.69 D1.6 ; U1.22 2349,1005 v2(2349,1294) ; v1(2798,1295) 2798.68,1295.68 D5.1
  Bottom Layer w10: v2(729.32,1294.68) v1@2794,1294.68 ; D5.1@2797.18,1420.18 2859.68,1357.68 3997.53,1357.68 D7.1
L6: D1.11 D2.11 D5.7 D7.7 U1.23 | length 7204
  Top Layer w10: D1.11 829,2313.57 v1(829,1662) 829,1153.72 D2.11 791,1091.72 v2(791,888) ; v1(2257,888) 2257,812.87 U1.23 ; v1(3396,1662) 3396,1421.37 D5.7
  Bottom Layer w10: v2(791,888) v1(2257,888) ; v1(829,1662) v1(3396,1662) ; D5.7 3471,1491 4586.21,1491 D7.7
L7: D1.15 D2.15 D5.2 D7.2 U1.24 | length 6196.6
  Top Layer w10: D1.15 429,2313.57 429,1153.72 D2.15 378,1102.72 382,1098.72 v2(382,855) ; v2(2195,859.68) 2195,800 2220,775 U1.24 2301,775 2319,793 v2(2319,1263) ; D5.2 2901,1416.37 2900,1415.37 v2(2900,1259.68) ; v3(4158,1261) 4158,1418.16 D7.2
  Bottom Layer w10: v2(382,855) 385,858 2193.32,858 v2(2195,859.68) ; v2(2319,1263) 4156,1263 v3(4158,1261)
L8: D1.16 D2.16 D5.5 D7.5 U1.25 | length 8079.6
  Top Layer w10: D2.16 224,1158.72 224,2308.57 D1.16 ; v1(1416,746) 1417,747 v1(1416,981) ; v1(2204.9,744.1) 2206,743 U1.25 ; v1(3197,1552) 3197,1420.37 D5.5 ; D7.5 v1(4458.53,1552)
  Bottom Layer w10: v1(224,1552) v1(3197,1552) v1(4458.53,1552) ; D2.16 401.72,981 v1(1416,981) ; v1(1416,746) 1417.9,744.1 v1(2204.9,744.1)
L9: D3.13 D4.13 D6.9 D8.9 U1.17 | length 4518.8
  Top Layer w10: D4.13 1838.84,1193.16 1788,1244 1788,2312.72 D3.13 ; v2(2505,1004) 2505,993.81 2506,992.81 U1.17 ; D6.9 3500,1102.41 v2(3500,1003)
  Bottom Layer w10: D4.13 1938.57,1004 4658.8,1004 D8.9
L10: D3.3 D4.3 D6.14 D8.14 U1.26 | length 4392
  Top Layer w10: D4.3 1773,193 1788,208 1788,1192 1738.84,1241.16 D3.3 ; v2(2186,1166) 2186,1062 2152,1028 v1(2152,713) 2153,712 U1.26
  Bottom Layer w10: v1@1788,711 2150,711 v1(2152,713) ; v2(2186,1166) 2936.41,1166 D6.14 ; D6.14@3002.32,1107.36 D6.14@3005,1104.68 ; D6.14@3005,1110.04 3063.96,1169 4193.25,1169 D8.14
  other v1: 1788,712
L11: D3.4 D4.4 D6.8 D8.8 U1.27 | length 6648.2
  Top Layer w10: v1@1588.4,534 v2(1588.4,1263.4) ; D4.4 1839.5,159.5 v1(1839.5,534) ; v2@1838.84,1263.68 D3.4 ; U1.27@2261.81,681.1 U1.27@2263.87,681.1 ; U1.27 2313,680 2337,656 v1(2337,534) ; v1(2273,1264) v1(2273,1325) ; v1@3446,1324 3446,211.53 D6.8
  Bottom Layer w10: v2@1588.4,1264 1838.68,1264 v2(1839,1263.68) 2272.68,1263.68 v1(2273,1264) ; v1(1589,534) v1(1839.5,534) v1(2337,534) ; v1(2273,1325) v1(3446,1325) ; D6.8 3570.84,231 4686.37,231 D8.8 4754,163.37 D8.8@4755,164.37
L12: D3.10 D4.10 D6.12 D8.12 U1.28 | length 4281.1
  Top Layer w10: D3.10 2088,2312.72 2088,1369 2138.84,1318.16 D4.10 2138.84,1083 2113,1057.16 2113,699 2163,649 U1.28
  Bottom Layer w10: D4.10 2180.57,1062 3156.96,1062 D6.12 3244.41,1058 4412.8,1058 D8.12
L13: D3.6 D4.6 D6.1 D8.1 U1.29 | length 3692.6
  Top Layer w10: D4.6 2087,207 2087,619 ; D3.6 2038.84,1361.16 2087,1313 2087,619 ; U1.29 2088,618 2087,619 ; v1(4058.53,61.53) D8.1
  Bottom Layer w10: D4.6 2108.68,89 2271.16,89 2341,158.84 D6.1 2896.53,61 4058,61 v1(4058.53,61.53)
L14: D3.11 D4.11 D6.7 D8.7 U1.38 | length 5224.7
  Top Layer w10: D3.11 1988,2312.72 1988,1366 2038.84,1315.16 D4.11 2038.84,657.53 v1(2039.37,657) ; U1.38@2474.41,405.51 U1.38@2474.41,406.87 ; U1.38 2475,655.82 2474.41,656.41 v1(2475,657) ; D6.7 3412,172.16 v2(3412,655) ; v1(4655,261) 4655,162.37 D8.7
  Bottom Layer w10: v1(2039.37,657) 2042.37,654 2043.37,655 v2(3412,655) ; v1(3412,264) 4652,264 v1(4655,261)
L15: D3.15 D4.15 D6.2 D8.2 U1.39 | length 6308.9
  Top Layer w10: v1(1638,623) 1638.84,623.84 D4.15 1689,1153.88 1689,2313.41 D3.15 ; U1.39@2505.91,405.51 U1.39@2505.91,406.87 ; U1.39 v1(2506,621) ; D6.2@2898.68,150.37 D6.2 ; v1(4134,623) 4134,183.37 D8.2
  Bottom Layer w10: v1(1638,623) 1639,622 4133,622 v1(4134,623) ; D6.2 2967.53,90 4114.32,90 4158.53,134.21 D8.2
L16: D3.16 D4.16 D6.5 D8.5 U1.6 | length 5624.4
  Top Layer w10: v1(1402,1098) 1402,2226.72 D3.16 ; v1(1538,560) 1538.84,560.84 D4.16 ; U1.6 2848,649 v2@2934.5,562.5 ; D6.5 3198.68,557.68 v1(3200,559)
  Bottom Layer w10: v1(1402,1098) 1533.12,1098 D4.16 ; v1(1538,560) 1539,559 v1(3200,559) ; D6.5 3243.53,114 3569,114 3658,203 4414.37,203 D8.5
  other v2: 2933,561
MOTOR: 
NetBT1_1: BT1.1 C3.1 U2.14 | length 2032.9
  Top Layer w10: U2.14 1171,323 1238,256 1316,256 1494,434 1494,571 1452.6,612.4 C3.1 ; C3.1@1448,630.4 1448,1791 1547,1890 BT1.1
NetC4_2: C4.2 k1.1 | length 3227.7
  Top Layer w10: k1.1 3972,710.24 3972,2378 4025.68,2431.68 4805,2431.68 4826,2410.68 4826,2326.76 C4.2
  Bottom Layer w10: 4591,1929.68 4591,1983.68 4640,2032.68 v1(4640,2139.68)
NetC5_2: C5.2 k1.2 | length 1623.2
  Top Layer w10: k1.2 3853,750.08 3866.92,764 C5.2
  Bottom Layer w10: 3866,2023.68 v1(3866,2141.68)
NetC6_2: C6.2 k1.3 | length 2233.5
  Top Layer w10: v1(3019.12,2140.68) 3019.12,2095.88 3054,2061 3612,2061 3803,1870 k1.3
  Bottom Layer w10: 3018,2058.68 3019.12,2059.8 v1(3019.12,2140.68)
NetQ1_1: Q1.1 R2.2 | length 79.7
  Top Layer w10: Q1.1 R2.2@734.14,1935.26
NetQ1_2: Q1.2 u5.2 | length 420.1
  Top Layer w10: v1(312,1932) 312,2076.18 u5.2 ; Q1.2@574,1935.26 v1(579.6,1935.26)
  Bottom Layer w10: v1(312,1932) 315.26,1935.26 v1(579.6,1935.26)
NetR1_1: 
OUT1: 
OUT2: 
SCL: k3.2 U1.9 U2.16 | length 3889.5
  Top Layer w10: k3.2 535,412 564,383 639,383 669,413 v1(669,944) ; U2.16 1306.63,389.63 1352,435 v2(1352,943) ; U1.9 2861,743 2885,767 v1(2885,944)
  Bottom Layer w10: v1@669,943 v2(1352,943) 2885,943 v1(2885,944)
SDA: k3.1 U1.10 U2.15 | length 3078.2
  Top Layer w10: k3.1 486,462.45 v1(486,287) ; U2.15 1221,330 v1(1264,287) 1382,405 v1(1382,774) ; U1.10 v1(2797,775) ; U1.10@2748.13,775.59 U1.10@2750,775.59
  Bottom Layer w10: v1(486,287) v1(1264,287) ; v1(1382,774) 1384,776 1385,775 v1(2797,775)
USB_ID: 
USB_ID2: 
VCC: C1.1 C2.1 C7.1 C9.2 C12.1 J1.1 J2.1 J3.1 J4.1 k1.8 k3.8 P1.1 R3.1 R4.1 U1.14 U2.2 u5.1 | length 12282
  Top Layer w15: J1.1 300.2,425.2 325,450 v5(325,572) ; u5.1@323.82,1694 v4(394,1694) ; v5(485,570) k3.8 485,765.4 C12.1 ; v5(807,482) R3.1 824.6,537.6 870,583 870,1039 v7(868,1041) ; J4.1@2468.5,220.47 2468.5,71.5 2510,30 3757,30 3903.4,176.4 C9.2 3903.4,420.36 4008.36,420.36 v6(4011,423) ; J3.1 2570.87,2209.87 2554,2193 2554,1236 2600,1190 U1.14 v4(2600,815) ; v3(3706.5,814.5) 3707,814 v4(3707,948) ; v6(4420,948) 4421,947 4420,946 v6(4420,427) 4524.17,322.83 J2.1
  Top Layer w20: u5.1 u5.1@323.82,1694 ; R4.1@1185,1890 v4(1185,1694) v4(1185,1041) 1185,902 1221,866 U2.2
  Bottom Layer w15: v5(325,572) 327,570 v5(485,570) 573,482 v5(807,482) ; v4(394,1694) v4(1185,1694) v3(2554,1694) ; v7(868,1041) v4(1185,1041) ; v4(2600,815) 2600.5,814.5 v3@3705.5,814.5 ; v4(3707,948) v6(4420,948) 4420.72,947.28 P1.1 ; v6(4011,423) 4416,423 v6(4420,427)
VL: 
Voice1: 
pads on no net: J1.0 J1.2 J1.3 J2.0 J2.2 J2.3 J3.0 J3.2 J3.3 J4.0 J4.2 J4.3 k3.3 U1.8 U2.1 U2.4
copper on no net: | length 1988.5
  Top Layer w18: 1320,711.68 ccw(c1315,711.68) 1320,711.68
  Top Layer w20: 453,463 ccw(c448,463) 453,463 ; 3960,636 ccw(c3955,636) 3960,636
  Top Layer w25: 2735,426 ccw(c2730,426) 2735,426
  Bottom Layer w11.81: 3372.67,1926.74 cw(c3396.94,1948.83) 3423.57,1968.02 ; 3402.5,1846.27 3446,1889.77 3446,1929.14 ; 3469.37,1968.96 cw(c3496,1949.77) 3519.21,1926.56 ; 4158.87,1835.63 4213,1889.76 4213,1938.98 ; 3524.74,1889.77 ccw(c3446,1889.77) 3524.74,1889.77 ; 4114.57,1820.87 4311.43,1820.87 4311.43,1958.66 4114.57,1958.66 4114.57,1820.87
  Bottom Layer w15: 3271.65,1889.76 3345,1889.76 ; 3545,1889.68 3614.17,1889.68 ; 4041.34,1889.76 4096,1889.76 ; 4330,1889.76 4389.76,1889.76

## Keep-outs
Keep-Out Layer:
  the board outline again, w1

## Other copper
Top Layer:
  text "＋" at 1514,1957 h60
  text "＋" at 290,1774 h60
  text "VCC" at 4452.08,928 h35
  text "RXD" at 4452.08,827.35 h35
  text "TXD" at 4452.08,727.45 h35
  text "GND" at 4452.08,628.31 h35
Bottom Layer:
  pour cut-out: 4114.57,1958.66 4311.43,1958.66 4311.43,1820.87 4114.57,1820.87
  pour cut-out: 3387.5,1934.5 3401,1948 3417.84,1957.84 3432,1961.5 3446.5,1962.5 3461,1961.5 3475.16,1957.84 3491,1948 3497,1942 3506,1931 3514,1919 3517.75,1904.75 3519,1890 3515,1860.68 3499,1838 3477,1822.68 3461,1818 3445,1816 3413,1822.68 3392,1840 3378,1860.68 3373.5,1874 3373.5,1887.5 3373.5,1899 3376,1907.68 3376,1910.66 3378,1917 3380.16,1923.84
  region: 3519.21,1926.56 3524,1931.35 3524,1961.77 3508,1977.77 3478.18,1977.77 3469.37,1968.96 3481.57,1956.77 3495,1956.77 3519.21,1932.56
  region: 3419,1967.77 3407,1979.77 3385,1979.77 3368,1962.77 3366,1962.77 3366,1948.77 3369,1945.77 3369,1930.4 3372.67,1926.74 3388.7,1942.77 3391,1942.77 3416.25,1968.02 3423.57,1968.02
  region: 3897.94,1890.8 3630.3,1756.98 3630.3,2024.69
  region: 3253,1755.98 2985.4,1889.77 2985.35,1889.87 3253,2023.69
  region net NetC4_2: 4800,1872.09 4681.89,1793.35 4406.3,2029.57 4406.3,2045.31 cw(c4445.67,2045.31) 4445.67,2084.68 4760.63,2084.68 cw(c4760.63,2045.31) 4800,2045.31
  region: 4800,1730.35 cw(c4760.63,1730.35) 4760.63,1690.98 4445.67,1690.98 cw(c4445.67,1730.35) 4406.3,1730.35 4406.3,2005.94 4681.89,1769.73 4800,1848.46
  region net NetC5_2: 4024,1733.35 cw(c3984.63,1733.35) 3984.63,1693.98 3669.67,1693.98 cw(c3669.67,1733.35) 3630.3,1733.35 3945.26,1890.83 3630.3,2048.31 cw(c3669.67,2048.31) 3669.67,2087.68 3984.63,2087.68 cw(c3984.63,2048.31) 4024,2048.31
  region net NetC6_2: 3253,1732.35 cw(c3213.63,1732.35) 3213.63,1692.98 2898.67,1692.98 cw(c2898.67,1732.35) 2859.3,1732.35 2859.3,2047.31 cw(c2898.67,2047.31) 2898.67,2086.68 3213.63,2086.68 cw(c3213.63,2047.31) 3253,2047.31 2938.04,1889.83
  text "MINI 3216" at 982,330 h130

## Silkscreen, mask and mechanical layers (free items; w line width, h text height)
Top Overlay:
  text "22pf" at 2991,2198 h80
  text "22pf" at 3761,2198 h80
  text "22pf" at 4533,2198 h80
  text "8550" at 543,1980 h80
  text "R100" at 788,1964 h80 r270
  text "KLJ-9032" at 141,1867 h80
  text "R10k" at 1077,1798 h80
  text "47uf" at 2336,1128 h80
  text "C103" at 2336,1044 h80
  text "C104" at 1066,958 h80
  text "C104" at 460,822 h80
  text "DS3231" at 991,549 h80
  text "LM75" at 485,545.08 h80
  text "BS813" at 3739,510 h80
  text "R10k" at 755,502 h80 r90
  text "C104" at 1382,502 h80 r90
  text "C104" at 3797,221 h80
Top Solder:
  circle w20: c3955,636 r5
  circle w18: c1315,711.68 r5
  circle w25: c2730,426 r5
  circle w20: c448,463 r5
  text "＋" at 1514,1957 h60
  text "＋" at 290,1774 h60
  text "VCC" at 4452.08,928 h35
  text "RXD" at 4452.08,827.35 h35
  text "TXD" at 4452.08,727.45 h35
  text "GND" at 4452.08,628.31 h35
Bottom Solder:
  text "MINI 3216" at 982,330 h130